# Altium PCB PCB_3U_DAC.PCBDOC (part 3 of 9)
Units mm, origin at the board's own origin, x right, y up, seen from the top; angles counter-clockwise.
Board outline 186.91 x 200.1 mm, 4 copper layers (TopLayer, Internal Plane 2, Signal Layer 1, BottomLayer), stack 1.563 mm thick; 822 components, 563 nets, 2611 pads, 820 vias.
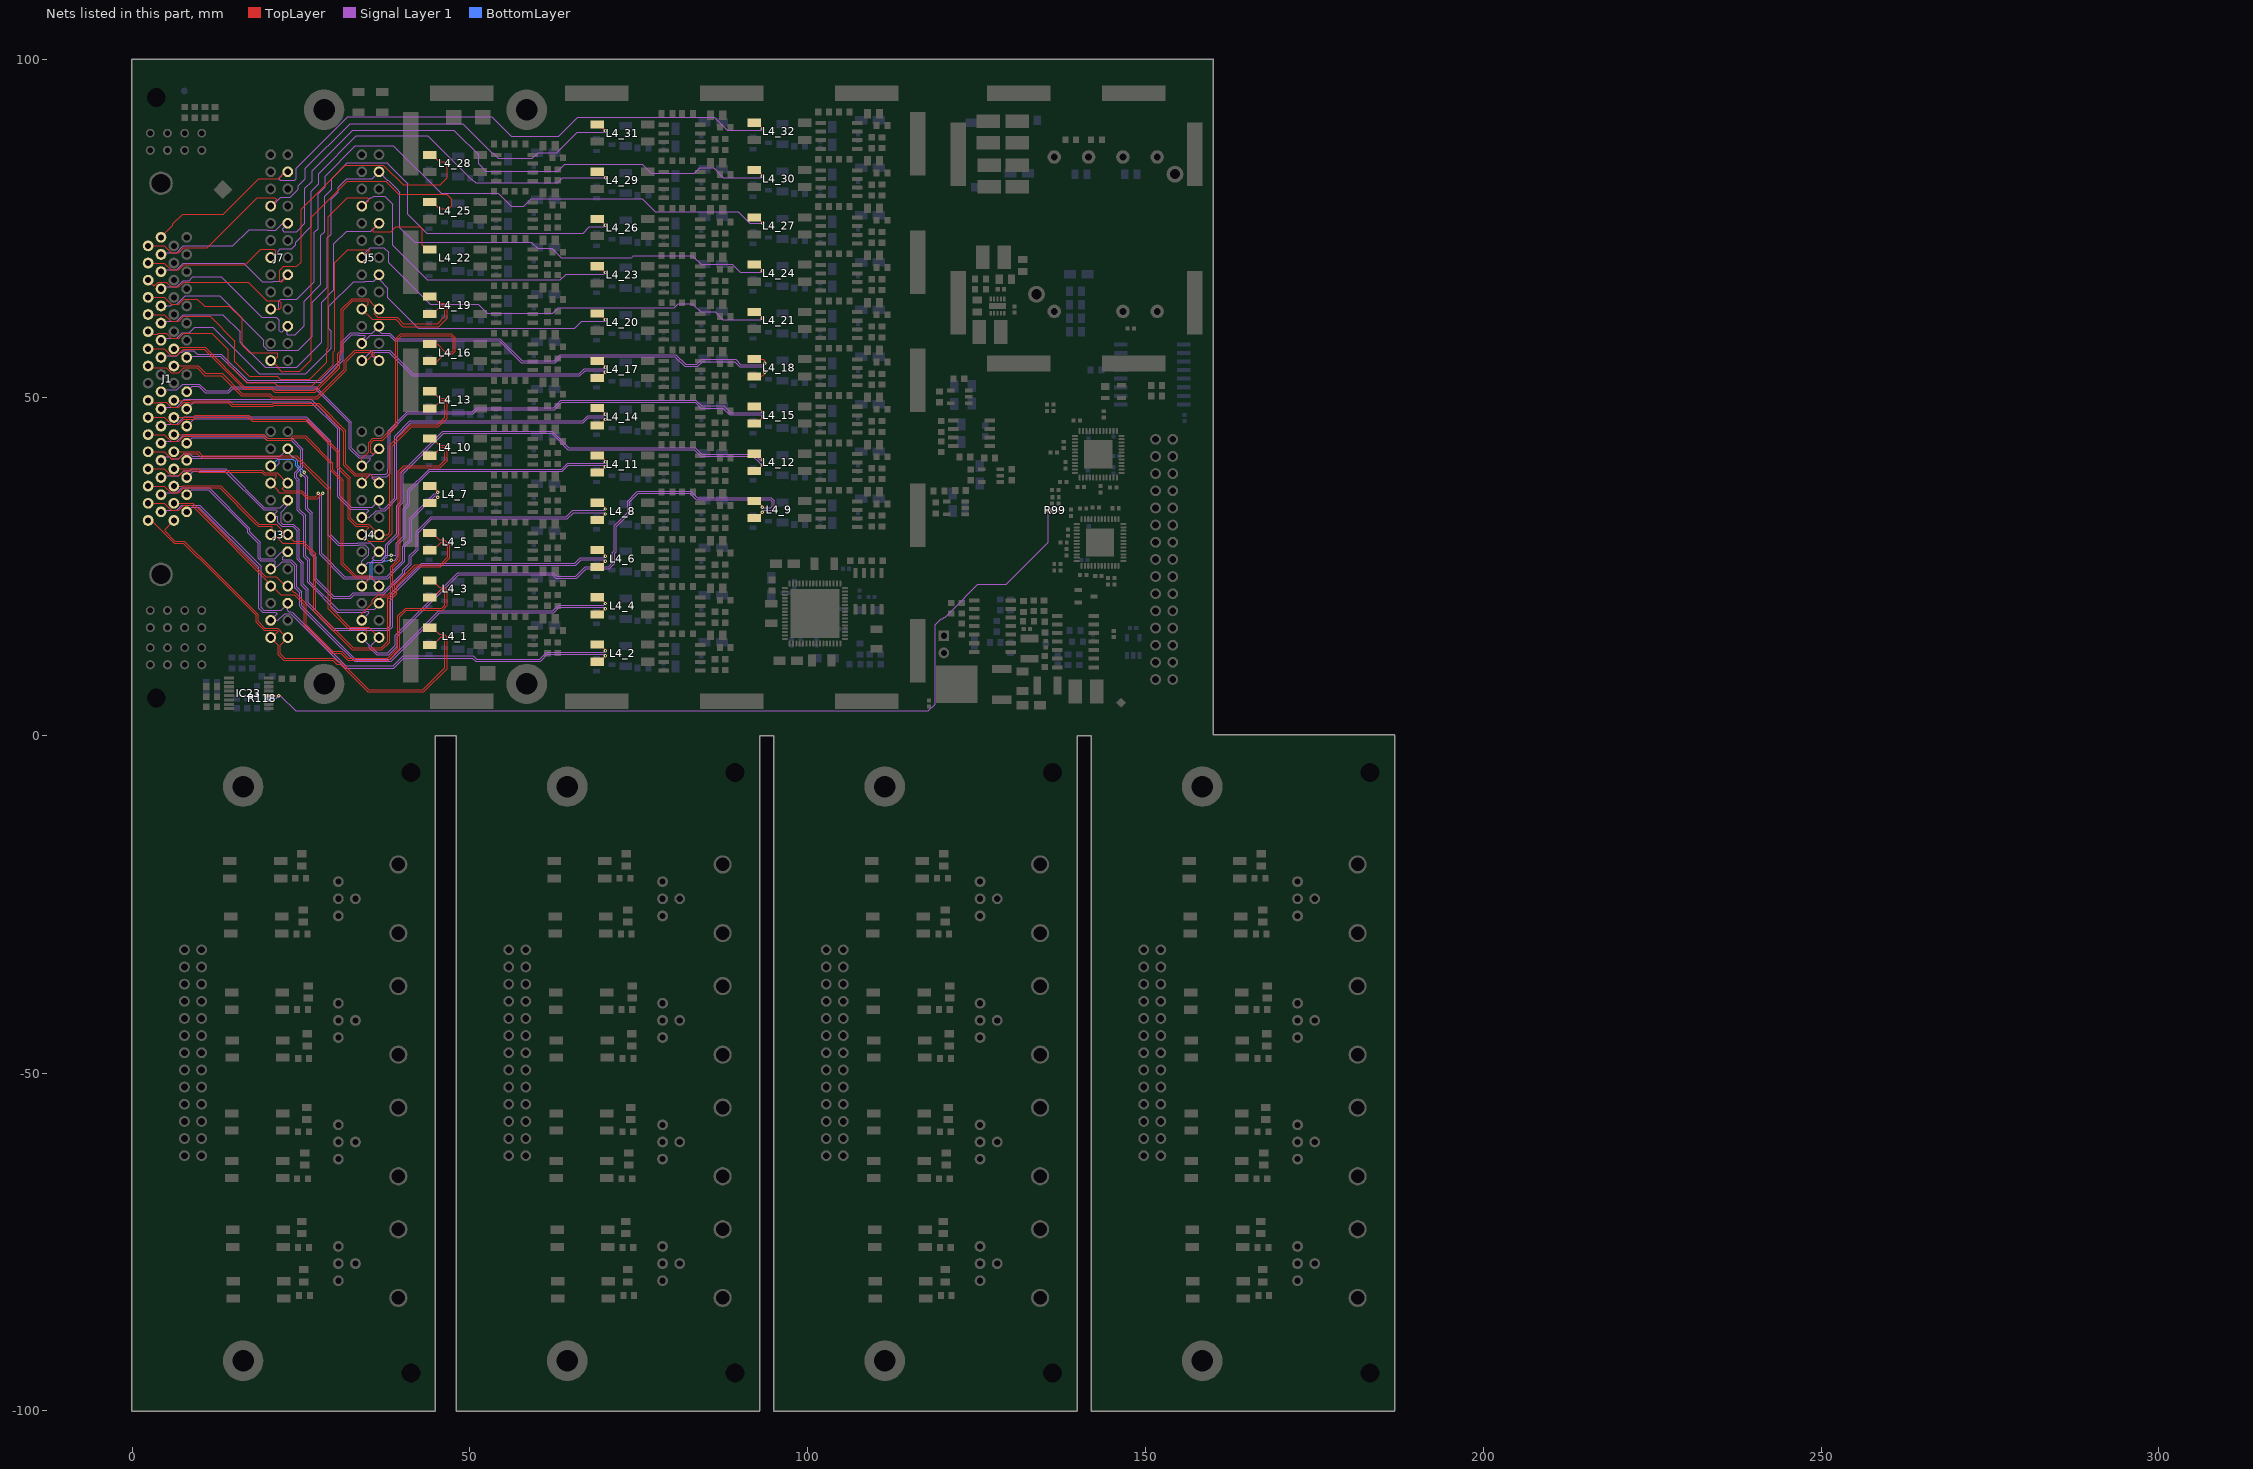
[diagram p5: the nets of this part, all layers, seen from the top]

## Footprints (in the part's own frame and the unit in brackets; to place one, negate y for a bottom-side part, rotate by r counter-clockwise, add the part's x,y. Pads: shape width x height; smd on the part's side, far side on the other; paste and mask are expansions set on the pad) (continued)
SOT95P280X100-5N [mm] "SOT23, 0.95mm pitch; 5 pin, 1.625mm W X 2.9mm L, IPC Medium"
  rect 1.1x0.55 smd: 1(-1.35,0.95) 2(-1.35,0) 3(-1.35,-0.95) 4(1.35,-0.95) 5(1.35,0.95)
  silkscreen extent -1.78,-1.45 0.47,1.87, body extent -1.4,-1.5 1.4,1.5, height 1
SOT95P280X145-5N [mm] "SOT, 0.95mm pitch; 5 pin, 1.60mm W X 2.90mm L X 1.45mm H body, IPC Medium Density"
  rect 1.1x0.6 smd: 1(-1.3,0.95) 2(-1.3,0) 3(-1.3,-0.95) 4(1.3,-0.95) 5(1.3,0.95)
  silkscreen extent -1.72,-1.45 0.43,1.88, body extent -1.4,-1.5 1.4,1.5, height 1.45
SOT143N [mm] "SOT143, 4-Leads, Body 3.0x2.6mm (max), Pitch 1.92mm, IPC Medium Density"
  rect 1.3x1 smd: 1(-1.2,0.75)
  rect 1.3x0.6 smd: 2(-1.2,-0.95) 3(1.2,-0.95) 4(1.2,0.95)
  silkscreen extent -1.17,-1.5 0.7,1.93, body extent -1.25,-1.5 1.25,1.5, height 1.1
TO228P991X238-3N-R546X521 [mm] "TO-252AA DPAK TO, 2.28mm pitch; 2 pin,9.905mm L X 6.095mm W X 2.38mm H body, IPC Medium Density"
  rect 2.85x1.25 smd: 1(-4.15,2.28) 2(-4.15,-2.28)
  rect 6.1x5.55 smd: 3(2.5,0)
  silkscreen extent -5.43,-3.25 -0.9,3.57, body extent -5,-3.38 5.27,3.37, height 2.38
TYCO_5787082-7 [mm] "68 contacts, AMPLIMITE .050\", Right Angled Receptacle Series III"
  round 1.6 hole 0.9: 1(20.955,0.952) 2(19.685,2.858) 3(18.415,0.952) 4(17.145,2.858) 5(15.875,0.952) 6(14.605,2.858) 7(13.335,0.952) 8(12.065,2.858) 9(10.795,0.952) 10(9.525,2.858) 11(8.255,0.952) 12(6.985,2.858) 13(5.715,0.952) 14(4.445,2.858) 15(3.175,0.952) 16(1.905,2.858) 17(0.635,0.952) 18(-0.635,2.857) 19(-1.905,0.952) 20(-3.175,2.857) 21(-4.445,0.952) 22(-5.715,2.857) 23(-6.985,0.952) 24(-8.255,2.857) 25(-9.525,0.952) 26(-10.795,2.857) 27(-12.065,0.952) 28(-13.335,2.857) 29(-14.605,0.952) 30(-15.875,2.857) 31(-17.145,0.952) 32(-18.415,2.857) 33(-19.685,0.952) 34(-20.955,2.857) 35(20.955,-2.858) 36(19.685,-0.953) 37(18.415,-2.858) 38(17.145,-0.953) 39(15.875,-2.858) 40(14.605,-0.953) 41(13.335,-2.858) 42(12.065,-0.953) 43(10.795,-2.858) 44(9.525,-0.953) 45(8.255,-2.858) 46(6.985,-0.953) 47(5.715,-2.858) 48(4.445,-0.953) 49(3.175,-2.858) 50(1.905,-0.953) 51(0.635,-2.858) 52(-0.635,-0.953) 53(-1.905,-2.858) 54(-3.175,-0.953) 55(-4.445,-2.858) 56(-5.715,-0.953) 57(-6.985,-2.858) 58(-8.255,-0.953) 59(-9.525,-2.858) 60(-10.795,-0.953) 61(-12.065,-2.858) 62(-13.335,-0.953) 63(-14.605,-2.858) 64(-15.875,-0.953) 65(-17.145,-2.858) 66(-18.415,-0.953) 67(-19.685,-2.858) 68(-20.955,-0.953)
  round 3.5 hole 2.8: 69(-28.955,-0.953) 70(28.955,-0.952)
  silkscreen extent -31.94,-12.74 31.94,5.05, body extent -31.94,-12.74 31.94,4.13, height 9.5

## Part data
C1_1 C1_2 C1_3 C1_4 C2_1 C2_2 C2_3 C2_4 C3_1 C3_2 C3_3 C3_4 C4_1 C4_2 C4_3 C4_4 C5_1 C5_2 C5_3 C5_4 C6_1 C6_2 C6_3 C6_4 C7_1 C7_2 C7_3 C7_4 C8_1 C8_2 C8_3 C8_4: library part CC0805_NO-VALUE, "Non-polarised capacitor"
C9 C13 C31 C33 C50 C53 C66 C67 C78 C83 C91_1 C91_2 C91_3 C91_4 C91_5 C91_6 C91_7 C91_8 C91_9 C91_10 C91_11 C91_12 C91_13 C91_14 C91_15 C91_16 C91_17 C91_18 C91_19 C91_20 C91_21 C91_22 C91_23 C91_24 C91_25 C91_26 C91_27 C91_28 C91_29 C91_30 C91_31 C91_32 C92_1 C92_2 C92_3 C92_4 C92_5 C92_6 C92_7 C92_8 C92_9 C92_10 C92_11 C92_12 C92_13 C92_14 C92_15 C92_16 C92_17 C92_18 C92_19 C92_20 C92_21 C92_22 C92_23 C92_24 C92_25 C92_26 C92_27 C92_28 C92_29 C92_30 C92_31 C92_32: library part CC0402_100NF_16V_10%_X7R, "Non-polarised capacitor"
C12 C14 C47 C65 C79 C84 C90_1 C90_2 C90_3 C90_4 C90_5 C90_6 C90_7 C90_8 C90_9 C90_10 C90_11 C90_12 C90_13 C90_14 C90_15 C90_16 C90_17 C90_18 C90_19 C90_20 C90_21 C90_22 C90_23 C90_24 C90_25 C90_26 C90_27 C90_28 C90_29 C90_30 C90_31 C90_32 C93_1 C93_2 C93_3 C93_4 C93_5 C93_6 C93_7 C93_8 C93_9 C93_10 C93_11 C93_12 C93_13 C93_14 C93_15 C93_16 C93_17 C93_18 C93_19 C93_20 C93_21 C93_22 C93_23 C93_24 C93_25 C93_26 C93_27 C93_28 C93_29 C93_30 C93_31 C93_32 C124 C132 C134 C135 C136 C143 C145 C146 C147: library part CTE3216-18_10UF_16V_20%_AVX_TCJ, "Polarised capacitor"
C19 C20 C21 C22 C23 C24 C37 C38 C69 C70 C148 C150: library part CC0402_100NF_16V_10%_X5R, "Non-polarised capacitor"
C56_1 C56_2 C56_3 C56_4 C56_5 C56_6 C56_7 C56_8 C56_9 C56_10 C56_11 C56_12 C56_13 C56_14 C56_15 C56_16 C56_17 C56_18 C56_19 C56_20 C56_21 C56_22 C56_23 C56_24 C56_25 C56_26 C56_27 C56_28 C56_29 C56_30 C56_31 C56_32: library part CC0805_680PF_50V_5%_NP0, "Non-polarised capacitor"
C58 C152: library part CC1210_47UF_10V_10%_X7R, "Non-polarised capacitor"
C59: library part CC0603_1NF_50V_10%_X7R, "Non-polarised capacitor"
C61_1 C61_2 C61_3 C61_4 C61_5 C61_6 C61_7 C61_8 C61_9 C61_10 C61_11 C61_12 C61_13 C61_14 C61_15 C61_16 C61_17 C61_18 C61_19 C61_20 C61_21 C61_22 C61_23 C61_24 C61_25 C61_26 C61_27 C61_28 C61_29 C61_30 C61_31 C61_32: library part CC0603_220PF_50V_5%_NP0, "Non-polarised capacitor"
C62_1 C62_2 C62_3 C62_4 C62_5 C62_6 C62_7 C62_8 C62_9 C62_10 C62_11 C62_12 C62_13 C62_14 C62_15 C62_16 C62_17 C62_18 C62_19 C62_20 C62_21 C62_22 C62_23 C62_24 C62_25 C62_26 C62_27 C62_28 C62_29 C62_30 C62_31 C62_32: library part CC1206_2.2NF_50V_5%_NP0, "Non-polarised capacitor"
C63 C82 C96 C133 C144: library part CC0603_1UF_25V_10%_X7R, "Non-polarised capacitor"
C64 C128: library part CC0603_10NF_50V_10%_X7R, "Non-polarised capacitor"
C68 C71 C76 C77 C95: library part CC0603_82PF_50V_5%_NP0, "Non-polarised capacitor"
C80 C81: library part CC0603_2.2UF_16V_10%_X5R, "Non-polarised capacitor"
C129 C130 C131 C137 C138 C139 C140 C141 C142 C149 C151: library part CC0805_22UF_16V_10%_X5R, "Non-polarised capacitor"
CLIP27 CLIP28 CLIP29 CLIP30 CLIP31 CLIP32 CLIP33 CLIP34 CLIP35 CLIP36 CLIP37 CLIP38 CLIP39 CLIP40 CLIP41 CLIP42 CLIP43 CLIP44 CLIP45 CLIP46 CLIP47 CLIP48 CLIP49 CLIP50 CLIP51 CLIP52: "Surface Mount Clip for PCB Screening Covers"
D5_1 D5_2 D5_3 D5_4 D5_5 D5_6 D5_7 D5_8 D5_9 D5_10 D5_11 D5_12 D5_13 D5_14 D5_15 D5_16 D5_17 D5_18 D5_19 D5_20 D5_21 D5_22 D5_23 D5_24 D5_25 D5_26 D5_27 D5_28 D5_29 D5_30 D5_31 D5_32: "Serial Diode"
D10 D11: "Zener Diode"
F1 F2: library part FUSR1206_TYCO-NANOSMD016F, "Fuse"
FTG1: library part FIDUCIAL_TARGET_C100-200, "Fiducial Target"
FTG2 FTG4: library part FIDUCIAL_TARGET_S100-200, "Fiducial Target"
FTG3: library part FIDUCIAL_TARGET_S200-400, "Fiducial Target"
IC1: "CONV DC/DC 6W DUAL 12V +-12V PCB"
IC2_1 IC2_2 IC2_3 IC2_4 IC2_5 IC2_6 IC2_7 IC2_8 IC2_9 IC2_10 IC2_11 IC2_12 IC2_13 IC2_14 IC2_15 IC2_16 IC2_17 IC2_18 IC2_19 IC2_20 IC2_21 IC2_22 IC2_23 IC2_24 IC2_25 IC2_26 IC2_27 IC2_28 IC2_29 IC2_30 IC2_31 IC2_32: "36-V, Precision, Rail-to-Rail Input/Output, Low Offset Voltage, Operational Amplifiers"
IC3: "1ppm/°C, Low-Noise, Precision, +5.000V Voltage Reference"
IC8 IC9: "4-Channel Half-Duplex M-LVDS Line Transceiver"
IC13: "Remote 8-bit I/O Expander For I2C Bus"
IC16: "-20° to +100°C ±3°C Precision Centigrade Temperature Sensors"
IC17: "Precision Reference 1=Adj 2=Cathode 3=Anode"
IC18: "32-Channel, 16-Bit, Serial Input, Voltage Output Digital-to-Analog Converter"
IC19: "Microprocessor Reset Circuit"
IC20 IC36: "LinCMOS Precision (900uV) Quad Operational Amplifier"
IC23: "8-Bit Shift Register With 3-State Output Register"
IC27: "1.22V to 20V 500mA, Low Noise, LDO Adjustable Micropower Regulator"
IC29: "100mA, Low Noise, LDO Micropower Adjustable Regulator in SOT-23"
IC32: "1.7V-5.5V, 2K I2C Serial EEPROM With EUI-48 Node Identity"
IC33 IC34: "200mA, Low Noise, Low Dropout Negative Micropower Regulator"
IC35: "4.75-28VDC to 1-6VDC, 500mA Step-Down Converter With Sleep Mode"
J1: library part TYCO_5787082-7, "68 contacts, AMPLIMITE .050\", Right Angled Receptacle Series III"
J2_1 J2_2 J2_3 J2_4: library part 3M_N2526-5002RB, "Connector 26 Male"
J3 J4 J5 J7: library part 3M_N2526-6002RB, "Connector 26 Male"
J6_1 J6_2 J6_3 J6_4 J8_1 J8_2 J8_3 J8_4 J9_1 J9_2 J9_3 J9_4 J10_1 J10_2 J10_3 J10_4: library part BOMAR_364A2595, "Dual Right Angle 50 Ohm BNC Jack, White Valox Case"
J37: library part 3M_N2530-6002RB, "Connector 30 Male"
L1_1 L1_2 L1_3 L1_4 L2_1 L2_2 L2_3 L2_4 L4_1 L4_2 L4_3 L4_4 L4_5 L4_6 L4_7 L4_8 L4_9 L4_10 L4_11 L4_12 L4_13 L4_14 L4_15 L4_16 L4_17 L4_18 L4_19 L4_20 L4_21 L4_22 L4_23 L4_24 L4_25 L4_26 L4_27 L4_28 L4_29 L4_30 L4_31 L4_32 L5_1 L5_2 L5_3 L5_4 L10_1 L10_2 L10_3 L10_4 L11_1 L11_2 L11_3 L11_4 L12_1 L12_2 L12_3 L12_4 L13_1 L13_2 L13_3 L13_4 L14_1 L14_2 L14_3 L14_4: library part IND_6.5MH_50%_WURTH_WE-SL2-744229, "Inductor Common Mode"
L3 L6 L7 L8 L9 L15 L16: library part IND_10UH_10%_MURATA-PS_8400, "Inductor With Core"
LD3: library part LED_BIVAR_H485CHHGGDL, "LED x4 G-1C2A-BOT_G-3C4A_H-5C6A_H-7C8A-TOP"
LD4 LD5: library part LED_BIVAR_H485CGDL, "LED x4 Green 1C2A-BOT_3C4A_5C6A_7C8A-TOP"
R1 R68_1 R68_2 R68_3 R68_4 R68_5 R68_6 R68_7 R68_8 R68_9 R68_10 R68_11 R68_12 R68_13 R68_14 R68_15 R68_16 R68_17 R68_18 R68_19 R68_20 R68_21 R68_22 R68_23 R68_24 R68_25 R68_26 R68_27 R68_28 R68_29 R68_30 R68_31 R68_32: library part R0603_NO-VALUE, "Resistor"
R2 R3 R7 R10 R11 R13 R14 R51 R72 R88 R97 R99 R101 R174: library part R0402_0R_JUMPER, "Resistor"
R4: library part R0603_36R_1%_0.1W_100PPM, "Resistor - 1%"
R5 R9: library part R0603_47R_1%_0.1W_100PPM, "Resistor - 1%"
R6 R16 R17 R18 R19 R20 R21 R22 R23 R141 R144 R147 R151 R157 R160 R163 R166 R170: library part R0402_100R_1%_0.1W_100PPM, "Resistor - 1%"
R8 R12 R52 R71 R76 R77 R81 R84 R165 R168: library part R0603_10K_1%_0.1W_100PPM, "Resistor - 1%"
R15_1 R15_2 R15_3 R15_4 R26_1 R26_2 R26_3 R26_4 R27_1 R27_2 R27_3 R27_4 R28_1 R28_2 R28_3 R28_4 R29_1 R29_2 R29_3 R29_4 R30_1 R30_2 R30_3 R30_4 R31_1 R31_2 R31_3 R31_4 R32_1 R32_2 R32_3 R32_4: library part R0603_0R_JUMPER, "Resistor"
R24_1 R24_2 R24_3 R24_4 R24_5 R24_6 R24_7 R24_8 R24_9 R24_10 R24_11 R24_12 R24_13 R24_14 R24_15 R24_16 R24_17 R24_18 R24_19 R24_20 R24_21 R24_22 R24_23 R24_24 R24_25 R24_26 R24_27 R24_28 R24_29 R24_30 R24_31 R24_32: library part R0603_2K32_0.1%_0.063W_10PPM, "Resistor - 0.1%"
R25_1 R25_2 R25_3 R25_4 R25_5 R25_6 R25_7 R25_8 R25_9 R25_10 R25_11 R25_12 R25_13 R25_14 R25_15 R25_16 R25_17 R25_18 R25_19 R25_20 R25_21 R25_22 R25_23 R25_24 R25_25 R25_26 R25_27 R25_28 R25_29 R25_30 R25_31 R25_32: library part R0603_9K09_0.1%_0.063W_10PPM, "Resistor - 0.1%"
R39_1 R39_2 R39_3 R39_4 R39_5 R39_6 R39_7 R39_8 R39_9 R39_10 R39_11 R39_12 R39_13 R39_14 R39_15 R39_16 R39_17 R39_18 R39_19 R39_20 R39_21 R39_22 R39_23 R39_24 R39_25 R39_26 R39_27 R39_28 R39_29 R39_30 R39_31 R39_32: library part R0603_470R_1%_0.1W_100PPM, "Resistor - 1%"
R53: library part R0603_1M_1%_0.1W_100PPM, "Resistor - 1%"
R54 R55 R57 R62 R65 R169: library part R0603_100K_1%_0.1W_100PPM, "Resistor - 1%"
R56 R85: library part R0603_6K8_1%_0.1W_100PPM, "Resistor - 1%"
R58 R82 R113 R114 R115 R116 R117 R118 R119 R120 R121 R122 R123: library part R0603_220R_1%_0.1W_100PPM, "Resistor - 1%"
R60 R63 R66 R73 R172: library part R1206_22R_1%_0.25W_100PPM, "Resistor - 1%"
R67_1 R67_2 R67_3 R67_4 R67_5 R67_6 R67_7 R67_8 R67_9 R67_10 R67_11 R67_12 R67_13 R67_14 R67_15 R67_16 R67_17 R67_18 R67_19 R67_20 R67_21 R67_22 R67_23 R67_24 R67_25 R67_26 R67_27 R67_28 R67_29 R67_30 R67_31 R67_32: library part R0603_11K_1%_0.1W_100PPM, "Resistor - 1%"
R69 R150 R156 R159: library part R0603_24K_1%_0.1W_100PPM, "Resistor - 1%"
R70 R153 R158 R161: library part R0603_2K7_1%_0.1W_100PPM, "Resistor - 1%"
R74 R75 R79 R83: library part R0603_2K2_1%_0.1W_100PPM, "Resistor - 1%"
R78 R87: library part R0603_10M_1%_0.125W_100PPM_VISHAY_CHP, "Resistor - 1%"
R162: library part R0603_270K_1%_0.1W_100PPM, "Resistor - 1%"
R164: library part R0603_82K_1%_0.1W_100PPM, "Resistor - 1%"
R171: library part R0402_10K_1%_0.0625W_100PPM, "Resistor - 1%"
SW1: library part COMATEL_313.1730.0.00.40.0, "Jumper 1 Pin"
T9: "P-CHANNEL MOSFET WITH DIODE"
W1: library part COMATEL_385.0358.1.02.400, "2 Mini Wire-Wrap Contact Strip Header"

## Free pads (board coordinates)
  round 6 hole 3.2: 0(58.4,7.6) 1(58.4,92.6) 2(16.409,-92.6) 2(28.4,92.6) 2(64.409,-92.6) 2(111.409,-92.6) 2(158.409,-92.6) 3(16.409,-7.6) 3(28.4,7.6) 3(64.409,-7.6) 3(111.409,-7.6) 3(158.409,-7.6)
  round 1.27 hole 2.794: 1(3.556,94.412) 1(41.253,-94.412) 1(89.253,-94.412) 1(136.253,-94.412) 1(183.253,-94.412) 2(3.556,5.512) 2(41.253,-5.512) 2(89.253,-5.512) 2(136.253,-5.512) 2(183.253,-5.512)

## Via types
v1: diameter 0.5, hole 0.2, TopLayer to BottomLayer, tented both sides, 685 vias
v2: diameter 0.6, hole 0.3, TopLayer to BottomLayer, tented both sides, 105 vias
v3: diameter 1, hole 0.5, TopLayer to BottomLayer, tented both sides, 21 vias
v4: diameter 1, hole 0.6, TopLayer to BottomLayer, tented both sides, 9 vias

## Nets (pads, with @x,y where several pads share a name; then routed paths per layer and width w, separated by ;. In a path a pad name is that pad's centre, name@x,y a point inside that pad or via, vN(x,y) a via of type N, cw(c..) or ccw(c..) an arc to the next point about the centre after c; other vN are vias at no path point)
CSN_EXT: IC23.12 R99.1 R118.2 | length 140.9
  TopLayer w0.127: IC23.12@20.213,5.881 21.645,5.881 v1(21.688,5.839) ; v1(135.462,33.22) 136.135,33.22 R99.1@136.211,33.297
  Signal Layer 1 w0.127: v1(21.688,5.839) 21.942,5.839 24.187,3.594 117.867,3.594 118.843,4.569 118.843,16.38 119.742,17.28 120,17.28 120.176,17.456 120.36,17.456 123.253,20.349 123.253,20.41 125.193,22.349 129.384,22.349 135.607,28.572 135.607,33.076 v1(135.462,33.22)
  BottomLayer w0.127: R118.2@20.05,5.5 21.348,5.5 v1(21.688,5.839)
DAC_OUT_N1: J1.35 J3.2 L4_1.3 | length 68.1
  TopLayer w0.152: J1.35@2.355,31.801 2.838,31.801 6.194,28.445 7.54,28.445 9.732,26.254 9.826,26.254 18.335,17.745 18.335,16.762 19.529,15.567 21.407,15.567 21.61,15.364 20.712,14.466 J3.2@20.492,14.466 21.61,13.349 21.61,11.936 22.424,11.122 29.707,11.122 30.289,10.541 30.778,10.541 34.896,6.423 43.15,6.423 46.605,9.878 46.605,14.5 46.186,14.919 45.432,14.919 L4_1.3@44.506,15.845 ; L4_1.3@44.046,15.921 44.046,16.025 44.325,16.025 L4_1.3@44.506,15.845 ; L4_1.3@44.122,15.845 L4_1.3@44.506,15.845
DAC_OUT_N2: J1.36 J3.5 L4_2.3 | length 84.2
  TopLayer w0.152: L4_2.3@68.846,13.421 69.256,13.421 70.051,12.626 v1(70.051,12.496)
  Signal Layer 1 w0.152: J1.36@4.26,33.071 4.527,33.338 6.581,33.338 7.327,34.084 10.003,34.084 19.071,25.015 19.071,18.92 19.452,18.539 22.025,18.539 J3.5@23.032,19.546 23.032,18.425 23.143,18.314 23.574,18.314 23.679,18.209 23.719,18.209 23.897,18.03 23.897,17.991 31.63,10.259 38.616,10.259 39.594,11.237 40.089,11.732 50.467,11.732 50.966,11.234 60.306,11.234 61.346,12.274 69.829,12.274 v1(70.051,12.496)
DAC_OUT_N3: J1.37 J3.8 L4_3.3 | length 68.4
  TopLayer w0.152: J1.37@2.355,34.341 4.746,34.341 5.749,33.338 6.918,33.338 7.654,34.074 8.486,34.074 8.524,34.036 8.807,34.036 22.016,20.828 23.953,20.828 25.438,19.342 25.438,16.218 29.464,12.192 29.553,12.103 30.9,12.103 31.878,11.125 37.972,11.125 39.631,12.784 39.631,17.533 40.589,18.491 45.946,18.491 46.515,19.061 46.605,19.15 46.605,21.5 46.515,21.589 46.186,21.919 45.432,21.919 L4_3.3@44.506,22.845 ; L4_3.3@44.046,22.921 44.046,23.025 44.325,23.025 L4_3.3@44.506,22.845 ; L4_3.3@44.122,22.845 L4_3.3@44.506,22.845
DAC_OUT_N4: J1.38 J3.11 L4_4.3 | length 89.2
  TopLayer w0.152: L4_4.3@68.846,20.421 69.241,20.421 70.051,19.611 v1(70.051,19.496)
  Signal Layer 1 w0.152: J1.38@4.26,35.611 4.527,35.878 6.581,35.878 7.327,36.624 11.4,36.624 17.42,30.603 17.42,30.096 18.944,28.572 18.944,26.306 19.133,26.117 21.117,26.117 22.166,27.166 J3.11@23.032,27.166 22.25,26.384 22.25,26 23.508,26 24.34,25.168 24.34,21.951 25.072,21.219 25.072,19.187 25.162,19.098 29.517,14.742 33.036,11.224 38.216,11.224 39.195,12.202 45.405,18.412 62.25,18.412 63.112,19.274 69.829,19.274 v1(70.051,19.496)
DAC_OUT_N5: J1.39 J3.14 L4_5.3 | length 76.9
  TopLayer w0.152: J1.39@2.355,36.881 4.746,36.881 5.749,35.878 6.918,35.878 7.654,36.614 12.96,36.614 18.17,31.405 18.636,30.938 20.752,30.938 20.752,29.965 22.269,28.448 25.146,28.448 26.873,26.721 26.873,18.372 32.596,12.649 36.956,12.649 38.1,13.793 38.1,19.939 38.214,19.939 39.047,20.772 39.136,20.861 39.136,22.118 41.964,24.946 45.705,24.946 47.041,26.282 47.041,28.064 46.186,28.919 45.432,28.919 L4_5.3@44.506,29.845 ; L4_5.3@44.046,29.921 44.046,30.025 44.325,30.025 L4_5.3@44.506,29.845 ; L4_5.3@44.122,29.845 L4_5.3@44.506,29.845
DAC_OUT_N6: J1.40 J3.17 L4_6.3 | length 95
  TopLayer w0.152: L4_6.3@68.846,27.421 69.302,27.421 70.051,26.672 v1(70.051,26.496) v1@69.926,26.622
  Signal Layer 1 w0.152: J1.40@4.26,38.151 4.527,38.418 6.918,38.418 7.654,39.154 8.598,39.154 8.861,39.418 13.813,39.418 19.579,33.652 21.898,33.652 J3.17@23.032,34.786 23.032,34.032 22.029,33.029 22.029,31.471 22.257,31.243 23.86,31.243 24.71,30.392 24.71,26.163 25.306,25.568 25.306,22.351 26.037,21.619 26.037,19.587 29.769,15.856 37.814,15.856 38.034,16.075 38.147,16.075 38.274,16.202 38.274,20.933 42.826,25.486 65.541,25.486 66.329,26.274 69.829,26.274 v1(70.051,26.496)
DAC_OUT_N7: J1.41 J3.20 L4_7.3 | length 68.4
  TopLayer w0.152: J1.41@2.355,39.421 4.746,39.421 5.749,38.418 6.918,38.418 7.654,39.154 9.658,39.154 9.877,38.935 19.148,38.935 19.44,38.644 19.529,38.554 21.307,38.554 21.345,38.517 21.345,38.179 J3.20@20.492,37.326 21.61,36.209 21.61,36.066 21.789,35.887 24.99,35.887 25.879,34.998 27.423,34.998 28.211,35.787 v1(28.211,35.811) ; L4_7.3@43.721,36.921 L4_7.3@44.046,36.921 44.359,36.921 45.251,36.029 v1(45.251,35.996)
  Signal Layer 1 w0.152: v1(28.211,35.811) 28.038,35.637 28.038,26.931 31.476,23.492 37.69,23.492 40.052,25.854 40.052,28.01 40.976,28.934 41.065,29.023 41.065,32.134 44.705,35.774 45.029,35.774 v1(45.251,35.996)
DAC_OUT_N8: J1.42 J3.23 L4_8.3 | length 94.6
  TopLayer w0.152: L4_8.3@68.846,34.421 69.287,34.421 70.051,33.657 v1(70.051,33.496) v1@69.926,33.622
  Signal Layer 1 w0.152: J1.42@4.26,40.691 4.765,41.196 5.512,41.196 5.749,40.958 6.918,40.958 7.067,41.107 7.655,41.694 8.486,41.694 8.875,41.305 21.931,41.305 J3.23@23.032,42.406 ; v1(25.455,38.944) 25.455,38.698 25.879,38.274 25.968,38.185 25.968,33.613 26.641,32.94 26.641,26.963 27.236,26.367 27.236,23.151 29.837,20.55 32.213,20.55 32.745,21.083 37.058,21.083 40.052,24.076 40.052,24.489 41.017,25.455 41.017,26.538 42.03,27.552 42.03,30.124 44.25,32.344 64.271,32.344 65.201,33.274 69.829,33.274 v1(70.051,33.496)
  BottomLayer w0.152: J3.23@23.032,42.406 23.032,41.883 23.72,41.196 23.922,41.196 24.482,40.636 24.482,40.002 25.455,39.029 v1(25.455,38.944)
DAC_OUT_N9: J1.43 J4.2 L4_9.3 | length 137.5
  TopLayer w0.152: J1.43@2.355,41.961 4.746,41.961 5.749,40.958 6.918,40.958 7.654,41.694 9.658,41.694 10.258,41.094 24.228,41.094 29.054,36.268 29.054,18.743 31.632,16.165 32.098,15.698 34.722,15.698 34.722,15.195 J4.2@33.992,14.466 ; L4_9.3@92.046,34.671 92.482,34.671 93.251,33.901 v1(93.251,33.746)
  Signal Layer 1 w0.152: J4.2@33.992,14.466 35.11,13.349 35.11,12.952 36.178,11.884 37.943,11.884 38.921,12.863 39.264,13.206 39.264,14.692 48.348,23.776 58.606,23.776 58.614,23.768 59.242,23.768 59.25,23.776 62.206,23.776 62.732,23.25 65.818,23.25 67.204,24.635 70.633,24.635 71.306,25.309 71.395,25.398 71.395,26.922 71.56,27.087 71.649,27.176 71.649,30.859 73.66,32.87 73.66,34.544 74.93,35.814 82.55,35.814 83.516,34.848 94.488,34.848 94.75,34.586 94.75,33.914 94.486,33.651 93.347,33.651 v1(93.251,33.746)
DAC_OUT_N10: J1.44 J4.5 L4_10.3 | length 90.2
  TopLayer w0.152: J4.5@36.532,19.546 36.532,20.226 36.83,20.523 37.972,20.523 38.463,21.014 38.552,21.103 38.552,24.836 39.696,25.98 39.696,38.934 40.335,39.573 45.592,39.573 46.515,40.496 46.605,40.586 46.605,42.5 46.515,42.589 46.186,42.919 45.432,42.919 L4_10.3@44.506,43.845 ; L4_10.3@44.046,43.921 44.046,44.025 44.325,44.025 L4_10.3@44.506,43.845 ; L4_10.3@44.122,43.845 L4_10.3@44.506,43.845